# Altium PCB PCB.PcbDoc (part 2 of 4) (continued)
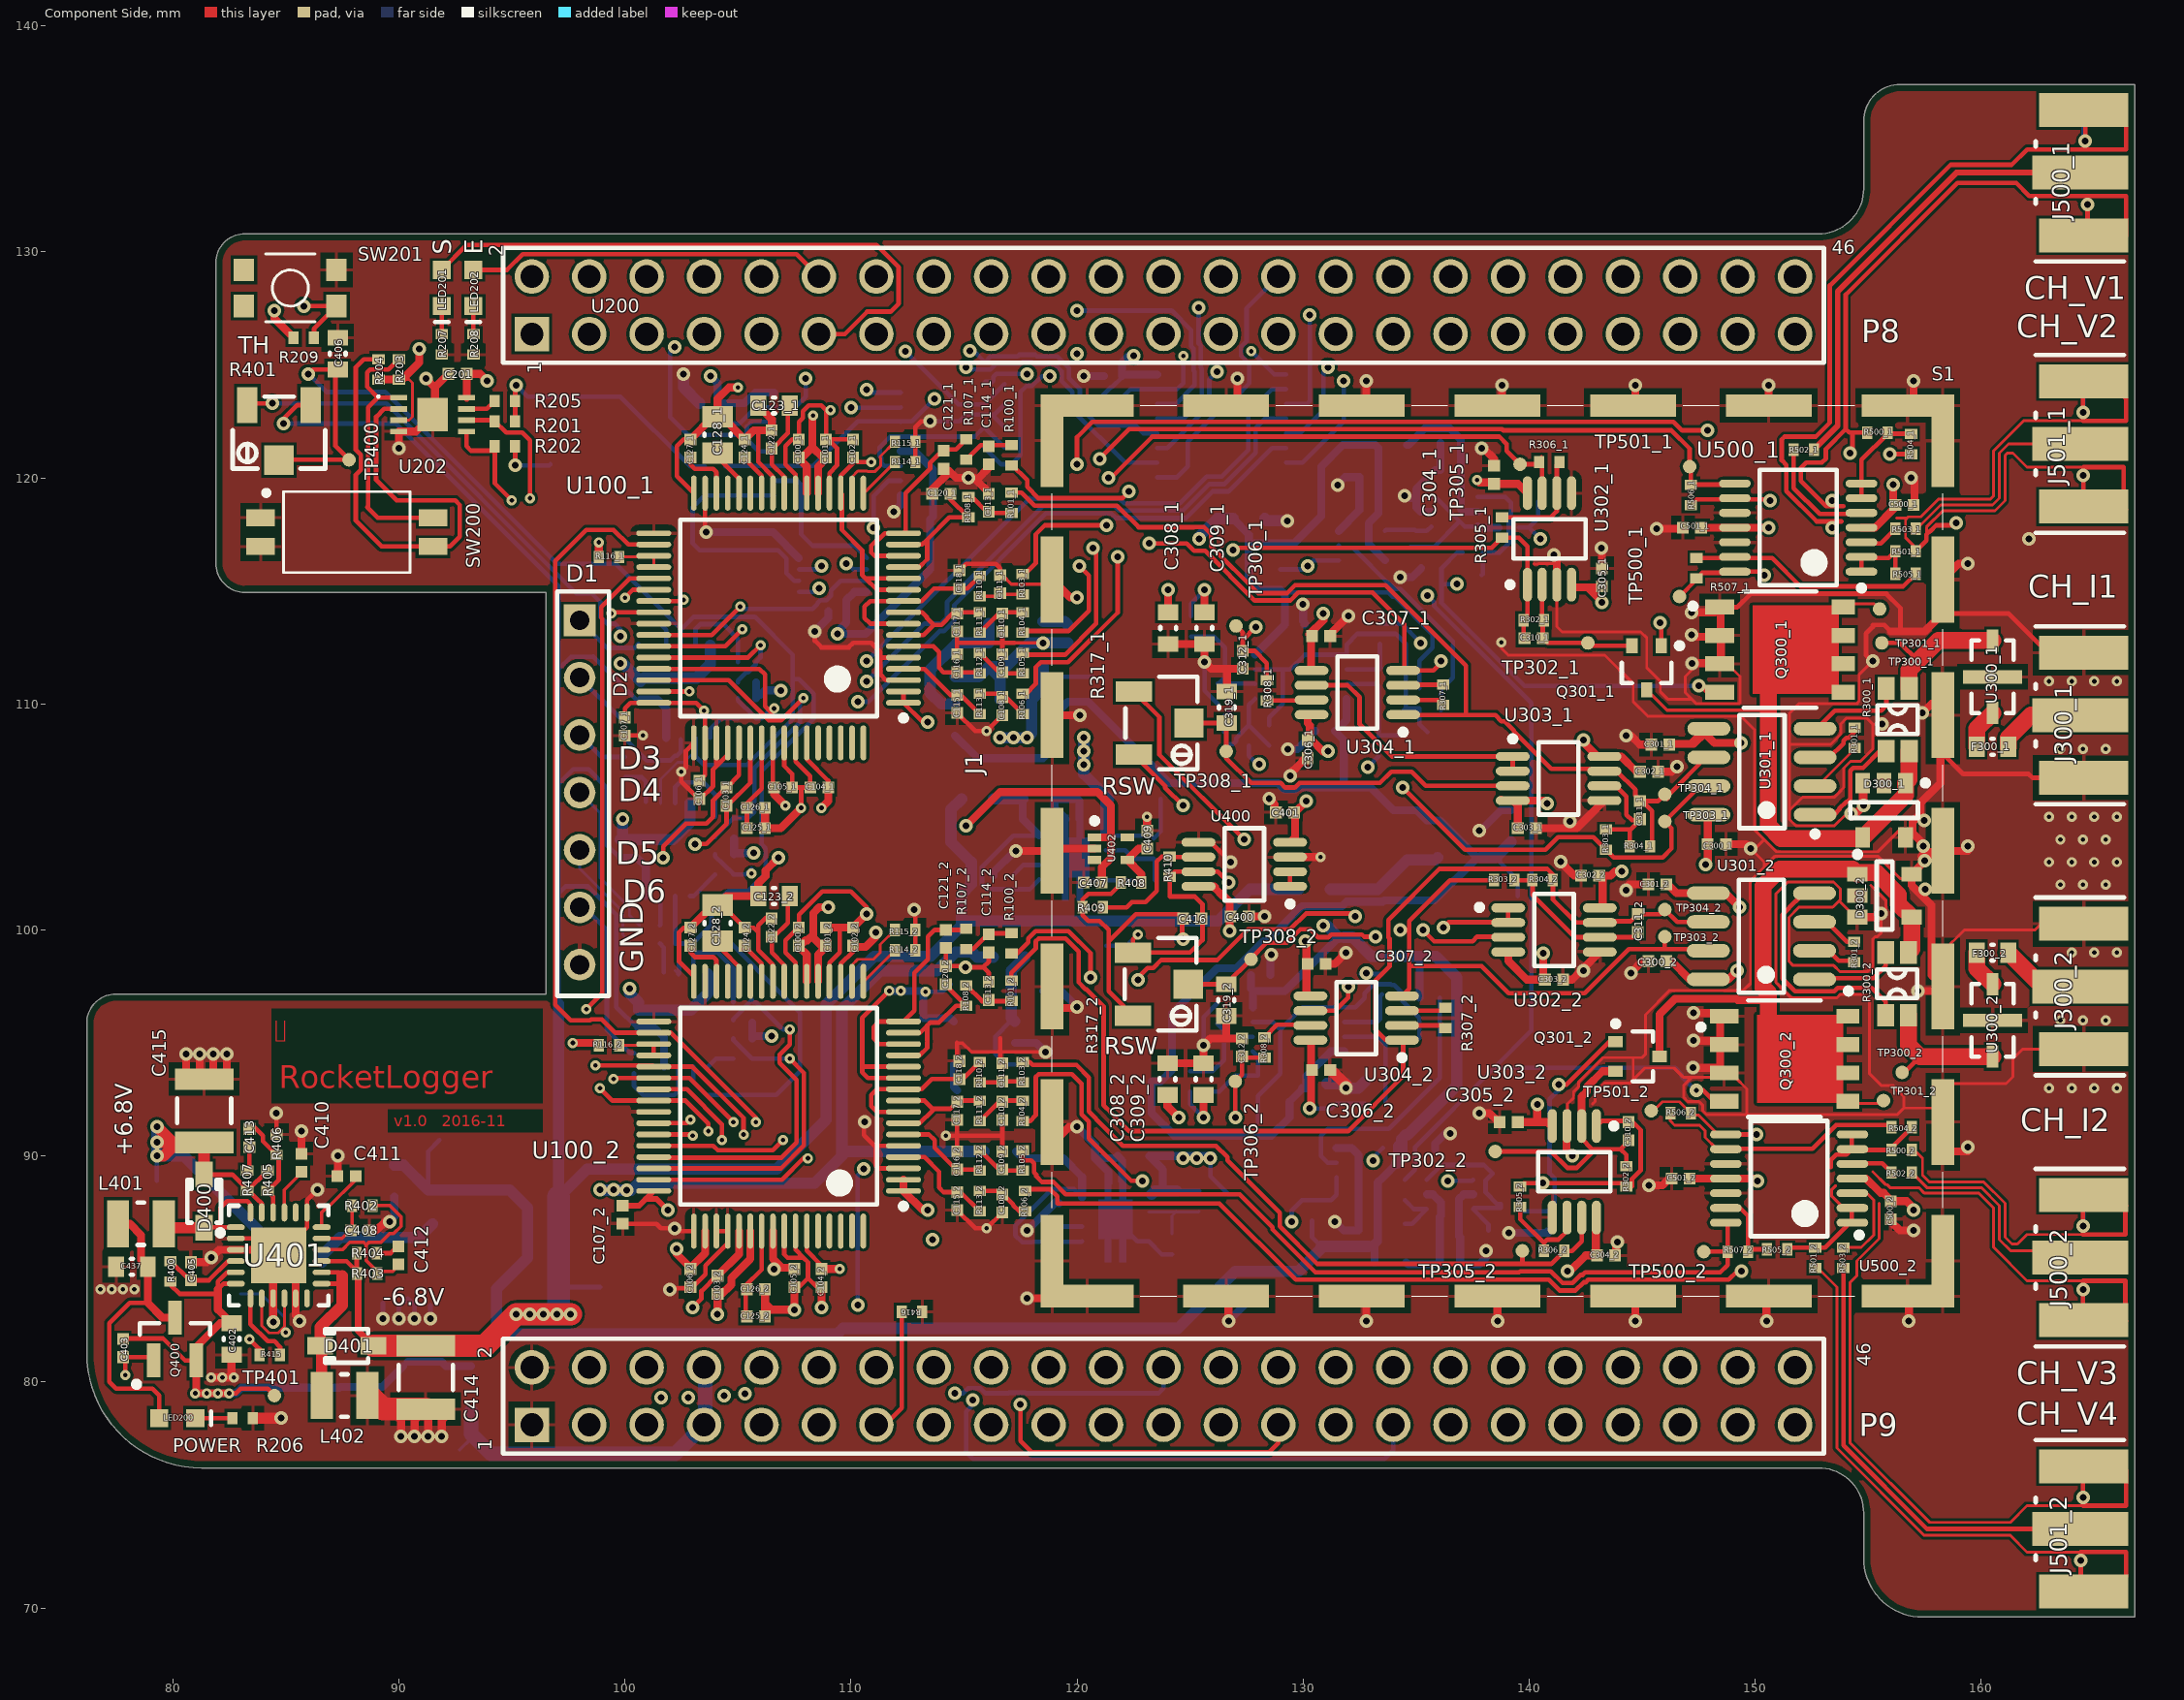
[diagram p0: Component Side view]
## Part data (continued)

## Via types
v1: diameter 0.6, hole 0.3, Component Side to Bottom Side, tented both sides, 292 vias
v2: diameter 0.45, hole 0.2, Component Side to Bottom Side, tented both sides, 98 vias
v3: diameter 0.6, hole 0.2, Component Side to Bottom Side, tented both sides, 1 vias

## Nets (pads, with @x,y where several pads share a name; then routed paths per layer and width w, separated by ;. In a path a pad name is that pad's centre, name@x,y a point inside that pad or via, vN(x,y) a via of type N, cw(c..) or ccw(c..) an arc to the next point about the centre after c; other vN are vias at no path point)
1.2V: C409.2 R408.2 U402.4 | length 2.3
  Component Side w0.35: R408.2@122.85,102.1 122.85,102.475 U402.4@122.225,103.1 122.725,103.6 C409.2@123.1,103.6
3.3V: C106_1.2 C106_2.2 C107_1.2 C107_2.2 C200.2 C201.2 C700.2 C701.2 R116_1.1 R116_2.1 R200.2 R201.2 R202.2 R203.2 R204.2 R205.2 R209.2 R600_1.2 R600_2.2 R600_3.2 R602_1.2 R602_2.2 R602_3.2 R704.2 R705.2 TP415.1 U100_1.48 U100_1.50 U100_2.48 U100_2.50 U200.903 U200.904 U201.16 U202.3 U202.8 U700.5 U700.16 U701.8 | length 134
  Component Side w0.125: U202.3@90,122.55 90.45,122.55 90.6,122.7 90.6,124.2 90.45,124.35 R203.2@90.15,124.35
  Component Side w0.2: v1@90.8,125.7 v1(90.9,125.7) ; v1(95.15,120.55) R202.2@95.15,121.2 ; R201.2@95.15,122.5 R205.2@95.15,123.4 95.15,124.05 v1(95.2,124.1) ; C107_1.2@100,109.4 100,109.8 100.25,110.05 U100_1.48@101.275,110.05 103.15,110.05 v2(103.5,109.7) 103.55,109.65 U100_1.50@103.55,108.275 103.55,106.85 C106_1.2@103.3,106.6
  Component Side w0.25: C107_2.2@99.9,87.8 100.625,87.8 100.925,88.1 ; U100_2.48@101.275,88.45 100.925,88.1 ; v1(101.9,87.6) 101.4,88.1 100.925,88.1
  Component Side w0.35: v1(84.5,127.4) 84.5,127.05 R209.2@85.35,126.2 ; R204.2@89.1,124.35 R203.2@90,124.35 90.15,124.35 90.9,125.1 v1(90.9,125.7) ; U202.8@93,123.55 C201.2@93,124.6 93.6,124.6 v1(93.9,124.3) ; v2(97.7,95) 98.85,95 R116_2.1@98.85,94.9 ; R116_1.1@98.85,116.5 v2(98.85,117.15) ; v1(102.3,85.9) 102.3,85.65 102.9,85.05 102.9,85.054 103.531,85.685 103.535,85.685 103.55,85.7 U100_2.50@103.55,86.675
  V+ w0.35: v1(95.2,124.1) 94.4,124.9 94.4,129.234 95.133,129.967 121.725,129.967 122.5,129.192 v1(122.5,125.4) ; v1(106.9,110.6) v1(109.4,113.1)
  V- w0.35: v1(95.2,124.1) 95.7,123.6 102.9,123.6 v1(103.8,124.5) ; 100.6,95.3 102.6,95.3 ; v1(101.9,87.6) 101.4,87.1 101.4,85.8 101.5,85.9 v1(102.3,85.9) ; 102.4,109.8 102.5,109.7 v2(103.5,109.7) 104.4,110.6 v1(106.9,110.6) ; 102.6,103.4 102.651,103.4 102.851,103.2 103.349,103.2 103.549,103.4 v1(105.7,103.4) ; 102.6,95.3 v1(106.5,95.3)
  Bottom Side w0.2: v1(95.15,120.55) 96.65,120.55 TP415.1@96.7,120.6 ; v1(95.2,124.1) 95.7,123.6 99.8,123.6 102.9,120.5 R705.2@103.55,120.5 ; R704.2@103.55,122.4 104.1,122.95 C700.2@104.1,123.3 ; R200.2@121.15,123.6 121.15,123.65 121.515,124.015 121.553,124.015 122,124.462 C200.2@122,124.5
  Bottom Side w0.35: v1(103.8,124.5) 104.1,124.2 C700.2@104.1,123.3 105.3,123.3 105.775,123.775 U700.16@106.6,123.775 ; R600_2.2@104.829,104.05 104.829,103.35 104.879,103.4 v1(105.7,103.4) ; R600_3.2@105.629,95.9 R602_3.2@105.629,95.2 105.728,95.3 v1(106.5,95.3) ; R602_1.2@105.8,110.25 R600_1.2@105.8,110.95 ; R602_1.2@106,110.4 106.2,110.6 v1(106.9,110.6) ; U701.8@110.7,114.95 110.15,114.95 109.8,114.6 109.8,113.6 109.4,113.2 v1(109.4,113.1) 110.644,113.1 113.5,115.956 113.5,118.158 113.625,118.283 113.625,120.375 112.825,121.175 U700.5@112.2,121.175 ; v1(122.5,125.4) 122.3,125.4 122,125.1 C200.2@122,124.5 122.075,124.575 U201.16@123.55,124.575
5V: C315_1.2 C315_2.2 C317_1.2 C317_2.2 C320_1.2 C320_2.2 C321_1.2 C321_2.2 C428.2 L300_1.1 L300_2.1 R318_1.2 R318_2.2 R320_1.2 R320_2.2 TP407.1 U305_1.8 U305_2.8 U307_1.5 U307_2.5 U406.3 | length 142.3
  V+ w0.5: v1(125.4,117.3) 125.4,115.77 124.959,115.33 124.959,107.141 126.8,105.3 127.8,105.3 129.6,103.5 129.6,101.5 v1(130.9,100.2)
  Bottom Side w0.2: U406.3@91.3,88.5 91.3,90.2 TP407.1@91.8,90.7 ; R320_1.2@129,115.05 129.125,114.925 133.773,114.925 133.948,114.75 134.05,114.75 135.725,113.075 135.725,112.483 135.15,111.908 R318_1.2@135.15,110.7 ; R320_2.2@130.4,87.15 130.4,86.4 130.8,86 ; 132.9,86 133.3,86.4
  Bottom Side w0.35: C317_1.2@126.9,118.2 127.6,117.5 127.6,117.1 ; C315_2.2@127.7,98 127.7,97.4 127.775,97.325 ; U305_2.8@127.775,96.575 127.775,97.325 ; U305_1.8@127.875,112.175 C315_1.2@129.2,113.5 129.2,114.85 R320_1.2@129.125,114.925 ; R320_1.2@129,115.05 128.05,115.05 127.6,115.5 127.6,117.1 ; 131.825,99.675 131.575,99.675 129.2,97.3 127.8,97.3 127.775,97.325 ; L300_2.1@133.159,85.291 133.159,86.059 133.3,86.2 133.3,86.4 C320_2.2@133.3,86.7 C321_2.2@133.3,87.9 133.3,88.825 U307_2.5@133.525,89.05 134.15,89.675 134.15,90.45 134.365,90.665 134.635,90.935 ; U307_1.5@133.625,116.35 132.9,117.075 132.9,118 133.334,118.434 C321_1.2@133.334,118.85 C320_1.2@133.334,120.05 133.334,121.318 L300_1.1@133.193,121.459 131.759,121.459 130.8,120.5 130.8,118.3 129.6,117.1 127.6,117.1 ; 135.1,98.825 135.15,98.775 R318_2.2@135.15,97
  Bottom Side w0.5: C428.2@89.8,89.6 90.2,89.6 U406.3@91.3,88.5 94.9,88.5 95.7,87.7 95.7,85.5 94.325,84.125 94.325,82.638 94.838,82.125 109.393,82.125 109.643,82.375 124.475,82.375 127,84.9 C317_2.2@128.1,84.9 129.8,84.9 130.8,85.9 130.8,86 132.9,86 ; v1(125.4,117.3) 125.4,117.4 126.2,118.2 C317_1.2@126.9,118.2 ; v1(130.9,100.2) 131.05,100.2 131.575,99.675 ; 131.825,99.675 132.18,99.675 133.03,98.825 135.1,98.825 135.875,98.825 136.8,97.9 136.8,93.1 134.635,90.935 134.55,90.935 134.365,90.75 134.365,90.665 134.365,89.89 134.15,89.675
+2.5V: C100_1.2 C100_2.2 C101_1.2 C101_2.2 C102_1.2 C102_2.2 C103_1.2 C103_2.2 C104_1.2 C104_2.2 C105_1.2 C105_2.2 C407.2 C434.2 TP411.1 U100_1.1 U100_1.2 U100_1.11 U100_1.12 U100_1.19 U100_1.21 U100_1.22 U100_1.54 U100_1.56 U100_1.59 U100_2.1 U100_2.2 U100_2.11 U100_2.12 U100_2.19 U100_2.21 U100_2.22 U100_2.54 U100_2.56 U100_2.59 U402.1 U402.3 U405.5 | length 77.4
  Component Side w0.2: v1(103.1,103.8) 103.6,103.8 104.5,104.7 C103_1.2@104.5,105.5 104.538,105.5 105.55,106.512 U100_1.54@105.55,108.275 ; U100_1.56@106.55,108.275 106.55,106.35 C105_1.2@106.6,106.3 ; U100_2.59@108.05,86.675 108.05,85.81 108.7,85.16 C104_2.2@108.7,85 ; U100_1.59@108.05,108.275 108.05,107.55 109,106.6 C104_1.2@109,106.3 ; U100_2.19@109.55,97.725 109.55,98.502 110.1,99.052 C102_2.2@110.1,99.25 ; C102_1.2@110.1,120.85 110.1,120.652 109.55,120.102 U100_1.19@109.55,119.325 109.6,119.275 109.6,117.7 110.5,116.8 110.5,115.7 110.65,115.55 ; C102_1.2@110.1,120.9 110.3,120.7 v2(110.9,120.7) ; v2(111.7,97.3) 110.5,96.1 110.5,94 ; U100_2.11@112.325,93.45 110.75,93.45 110.5,93.7 110.5,94 ; U100_2.12@112.325,93.95 110.55,93.95 110.5,94 ; U100_1.2@112.325,110.55 U100_1.1@112.325,110.05 113.175,109.2 v1(113.4,109.2) ; U100_1.11@112.325,115.05 111.15,115.05 110.65,115.55 ; U100_1.12@112.325,115.55 110.65,115.55
  Component Side w0.35: v1(104.1,83) C103_2.2@104.1,83.9 ; C103_2.2@104.25,83.85 104.71,84.31 104.71,84.61 105.55,85.45 U100_2.54@105.55,86.675 ; U100_2.56@106.55,86.675 106.55,85.45 106.95,85.05 ; v1(106.6,85) 106.65,85.05 106.95,85.05 ; C105_1.2@106.6,106.3 106.6,106 v2(107.1,105.5) ; C105_2.2@107.5,85.05 106.95,85.05 ; C100_1.2@107.7,120.85 108.05,120.5 U100_1.22@108.05,119.325 ; C100_1.2@107.7,120.9 107.844,120.9 108.3,121.356 ; U100_2.22@108.05,97.725 108.05,98.9 107.7,99.25 107.99,99.54 108.084,99.54 108.34,99.796 ; v2(108.325,122.762) 108.3,122.737 108.3,121.356 ; U100_2.21@108.55,97.725 108.55,98.9 108.9,99.25 108.75,99.25 108.34,99.66 108.34,99.796 ; U100_1.21@108.55,119.325 108.55,120.5 C101_1.2@108.9,120.85 ; C104_2.2@108.7,85 v2(109.5,85) ; v2(108.7,105.4) 109,105.7 C104_1.2@109,106.3 ; C101_1.2@108.9,120.9 108.756,120.9 108.3,121.356 ; v1(109,101) 108.6,101 108.34,100.74 108.34,99.796 ; C102_2.2@110.1,99.25 110.65,99.25 111.1,99.7 v1(111.1,99.9) ; U100_2.2@112.325,88.95 U100_2.1@112.325,88.45 113.175,87.6 v1(113.4,87.6) ; v1(115.1,104.6) 116.6,106.1 120.9,106.1 121.5,105.5 121.5,104.1 ; U402.1@120.775,104.1 121.5,104.1 ; C407.2@121.1,102.1 121.1,102.775 121.5,103.175 121.5,104.1
  Bottom Side w0.2: v2(113.3,97.26) 114.06,97.26 TP411.1@114.4,97.6
  Bottom Side w0.35: v2(111.7,97.3) v2(112.2,97.3) v2@113.26,97.3 ; v2(113.3,97.26) v2@113.26,97.3 ; U405.5@114.55,95.95 114.4,96.1 C434.2@113.2,96.1 113.2,97.24 v2@113.26,97.3
+6.8V: C415.1 C600_1.2 C600_2.2 C600_3.2 D400.2 L404.1 L405.1 L407.1 R401.1 R405.2 R407.2 TP402.1 U401.23 U600_1.8 U600_2.8 U600_3.8 | length 140.1
  Component Side w0.2: D400.2@81.39,89.175 82.647,89.175 83.822,88 83.84,88 83.94,87.9 U401.23@83.94,87.5 ; R401.1@83.305,123.22 83.325,123.2 83.425,123.3 v1(84.4,123.3) ; R407.2@83.39,88.45 83.39,88.55 83.74,88.9 83.758,88.9 84.19,89.332 R405.2@84.19,89.35
  Component Side w0.5: v1(79.3,90) 79.6,90 C415.1@80.2,90.6 ; v1(79.3,90.6) 80,90.6 ; v1(79.3,91.3) 80,90.6 ; D400.2@81.39,89.175 C415.1@81.39,90.6 C415.1@80.2,90.6 ; 80,90.6 C415.1@80.2,90.6
  V+ w0.5: v1(98.9,88.5) v1(99.5,88.5) 99.515,88.485 v1@99.99,88.485 ; v1(99.8,113) v1(99.8,111.8) 99.9,111.7 v1(99.9,104.9) 99.9,97.7 v1(100.2,97.4) 100.2,93.251 99.99,93.041 v1@99.99,88.485 ; v1@99.99,88.485 99.99,88.4 v1(100.075,88.485) v1@99.99,88.485
  V- w1: v1(79.3,90) v1(79.3,90.6) v1(79.3,91.3) 79.3,91.5 80.7,92.9 92.5,92.9 96.9,88.5 v1(98.9,88.5)
  Bottom Side w0.2: TP402.1@79.3,88.9 v1(79.3,90) ; v1(84.4,123.3) v1@84.4,123.29 ; v1(99.8,113) 99.8,113.3 99.55,113.55 99.214,113.55 98.925,113.839 98.925,114.493 98.518,114.9 97.84,114.9 89.45,123.29 v1@84.4,123.29 ; v1@84.335,123.225 84.285,123.225 84.31,123.2 v1@84.335,123.225 ; v1@84.335,123.225 v1@84.4,123.29
  Bottom Side w0.5: v1(79.3,91.3) v1(79.3,90.6) v1(79.3,90) 80.5,90 L407.1@85.2,85.3 ; v1(99.5,88.5) 99.1,88.5 99.085,88.485 v1(100.075,88.485) 100.285,88.485 100.6,88.8 108.4,88.8 109.6,90 109.6,90.3 ; v1(99.8,111.8) 99.9,111.8 C600_1.2@100.7,111 100.85,111.15 103.179,111.15 103.779,111.75 U600_1.8@103.779,112.6 ; v1(99.9,104.9) 99.9,104.1 C600_2.2@99.8,104 102.129,104 102.879,104.75 U600_2.8@102.879,105.6 ; v1(100.2,97.4) 100.2,97.2 100.6,96.8 C600_3.2@100.6,96.45 102.929,96.45 103.679,97.2 U600_3.8@103.679,98.05 ; L404.1@115.9,90.2 109.7,90.2 109.6,90.3 ; L405.1@116.3,98.8 115.58,98.8 115.355,99.025 114.625,99.025 113.8,98.2 111.3,98.2 109.6,96.5 109.6,90.3
-2.5V: C100_1.1 C100_2.1 C101_1.1 C101_2.1 C102_1.1 C102_2.1 C103_1.1 C103_2.1 C104_1.1 C104_2.1 C105_1.1 C105_2.1 C122_1.1 C122_2.1 C123_1.1 C123_2.1 C124_1.1 C124_2.1 C125_1.1 C125_2.1 C126_1.1 C126_2.1 C127_1.1 C127_2.1 C128_1.1 C128_2.1 C431.2 TP410.1 U100_1.20 U100_1.23 U100_1.25 U100_1.32 U100_1.53 U100_1.57 U100_1.58 U100_2.20 U100_2.23 U100_2.25 U100_2.32 U100_2.53 U100_2.57 U100_2.58 U408.5 | length 100.2
  Component Side w0.2: v1(101.7,103.2) 101.7,103.7 102.7,104.7 103.6,104.7 103.9,105 103.9,105.738 104.462,106.3 C103_1.1@104.5,106.3 105.05,106.85 U100_1.53@105.05,108.275 ; C127_2.1@102.9,100.1 102.6,100.1 102.4,99.9 102.4,98.6 103.05,97.95 U100_2.32@103.05,97.725 ; C127_1.1@102.9,121.7 102.6,121.7 102.3,121.4 102.3,120.075 U100_1.32@103.05,119.325 ; v1(103,83.3) 103.385,83.685 103.385,84.023 104.062,84.7 C103_2.1@104.1,84.7 ; C128_2.1@104.3,101.1 C124_2.1@105.3,100.1 105.7,100.1 105.9,99.9 ; 105.9,122.1 105.9,120.71 106.55,120.06 U100_1.25@106.55,119.325 ; C122_2.1@106.5,100.55 106.25,100.55 105.9,100.2 105.9,99.9 ; U100_2.25@106.55,97.725 106.55,98.46 105.9,99.11 105.9,99.9 ; U100_2.57@107.05,86.675 107.05,85.65 107.2,85.5 107.9,85.5 ; U100_1.57@107.05,108.275 107.05,107.25 107.4,106.9 C105_1.1@107.4,106.3 107.8,106.3 ; C105_2.1@107.5,84.15 107.65,84.15 108.1,84.6 ; U100_2.58@107.55,86.675 107.55,85.85 107.9,85.5 ; U100_2.23@107.55,97.725 107.55,98.55 107.1,99 107.1,99.54 107.66,100.1 C100_2.1@107.7,100.1 107.7,100.666 108.734,101.7 110,101.7 110.7,101 v1(110.7,100.7) ; U100_1.58@107.55,108.275 107.55,107.45 108.2,106.8 C104_1.1@108.2,106.3 107.8,106.3 ; U100_1.23@107.55,119.325 107.55,120.15 107.1,120.6 107.1,121.4 107.4,121.7 C100_1.1@107.7,121.7 107.7,122.482 107.875,122.657 107.875,122.948 108.139,123.212 108.688,123.212 v2@108.9,123 ; v2(107.8,105.4) 107.8,106.3 ; C104_2.1@108.7,84.2 108.5,84.2 108.1,84.6 ; U100_2.20@109.05,97.725 109.05,98.55 109.5,99 109.5,100.1 ; U100_1.20@109.05,119.325 109.05,120.212 109.385,120.547 109.385,121.315 C101_1.1@109,121.7 ; v2(109.1,123) v2@108.9,123 ; C102_1.1@110.1,121.7 C101_1.1@109,121.7 ; 107.9,85.5 108.1,85.3 108.1,84.6 ; v2@108.9,123 C101_1.1@108.9,121.7 C101_1.1@109,121.7
  Component Side w0.35: C127_2.1@102.9,100.1 103.9,101.1 C128_2.1@104.1,101.1 104.5,101.5 C123_2.1@105.9,101.5 105.9,102.058 106.225,102.382 106.225,102.625 v1(106.8,103.2) ; C127_1.1@102.9,121.7 103.9,122.7 C128_1.1@104.1,122.7 ; C103_2.1@104.1,84.7 105.05,85.65 U100_2.53@105.05,86.675 ; v2(105,124) 104.6,124 104.1,123.5 C128_1.1@104.1,122.7 ; C123_1.1@105.9,123.2 106.5,122.6 C122_1.1@106.5,122.1 105.9,122.1 105.7,122.1 C124_1.1@105.3,121.7 104.3,122.7 C128_1.1@104.1,122.7 ; C125_2.1@106.2,82.9 106.2,83.5 ; C126_2.1@106.2,84.1 106.2,83.5 ; C126_1.1@106.2,105.4 C125_1.1@106.2,104.5 106.9,104.5 v2(107.8,105.4) ; C105_2.1@107.5,84.15 v1(107.5,83.2) 106.5,83.2 106.2,83.5 ; v1(108.7,83.3) C104_2.1@108.7,84.15 ; C101_2.1@108.9,100.1 109.5,100.1 C102_2.1@110.1,100.1 v1(110.7,100.7)
  V- w0.35: v1(101.7,103.2) 101.7,102.9 102.7,101.9 105.742,101.9 106.8,102.958 v1(106.8,103.2)
  V- w0.5: v1(103,83.3) 103.7,84 106.8,84 107.5,83.3 v1(107.5,83.2)
  Bottom Side w0.2: 118.5,111.1 118.6,111.2 TP410.1@120.7,111.2
  Bottom Side w0.5: v1(116.6,108.5) v1(117.2,108.5) v1(117.8,108.5) 118,108.7 C431.2@118,110.2 118.5,110.7 118.5,111.1 U408.5@118.5,111.65
-5V: C316_1.1 C316_2.1 C318_1.1 C318_2.1 C426.2 L406.1 TP406.1 U305_1.4 U305_2.4 U407.4 | length 69.6
  Bottom Side w0.2: 138.7,103.4 138.7,103 139.5,102.2 TP406.1@139.5,101.5
  Bottom Side w0.35: L406.1@114.6,108.6 115.6,107.6 118.5,107.6 119,108.1 119,109.5 119.6,110.1 120.5,110.1 124.1,106.5 128.9,106.5 129.175,106.225 129.674,106.225 129.749,106.3 C318_1.1@131.6,106.3 ; C316_2.1@129.951,93 C316_2.1@130,93 ; C316_2.1@130.2,93.2 C316_2.1@130.15,93.15 ; C316_1.1@131.4,108.8 131.8,108.4 131.8,106.5 C318_1.1@131.6,106.3 ; C316_1.1@131.45,108.8 131.925,109.275 U305_1.4@131.925,110.225 ; U305_2.4@131.825,94.625 131.225,94.625 130.15,93.55 C316_2.1@130.15,93.15 ; U407.4@137.85,103.2 U407.4@137.7,103.2 ; C316_2.1@130,93 129.4,92.4 129.4,91.7 128.6,90.9 124.3,90.9 123.3,91.9 C318_2.1@123.3,93.3 123.7,93.3 124.2,93.8 124.2,96.3 126.2,98.3 127.056,98.3 128.256,99.5 128.4,99.5 129.95,101.05 131.724,101.05 131.924,101.25 133.528,101.25 133.578,101.3 135.8,101.3 U407.4@137.7,103.2 ; C316_2.1@130,93 C316_2.1@130.15,93.15 ; C316_2.1@130,93 130.15,93 C316_2.1@130.15,93.15 ; C318_1.1@131.6,106.3 133,106.3 134,105.3 135.024,105.3 135.474,104.85 136.05,104.85 U407.4@137.7,103.2
  Bottom Side w0.5: U407.4@137.85,103.2 138.5,103.2 138.7,103.4 C426.2@139.2,103.9
-6.8V: C414.1 C600_1.1 C600_2.1 C600_3.1 D401.1 L403.1 L408.1 R401.3 R403.2 R404.1 TP403.1 U401.15 U600_1.4 U600_2.4 U600_3.4 | length 143.6
  Component Side w0.2: v1(84.9,122.4) 84.9,122.6 85.52,123.22 R401.3@86.095,123.22 ; U401.15@86.59,85.35 87.69,85.35 R403.2@88.14,84.9 ; R404.1@88.14,85.7 R403.2@88.14,84.9 ; R403.2@88.19,84.85 R403.2@88.14,84.9
  Component Side w0.3: R403.2@88.19,84.85 88.2,84.84 88.2,82.275 D401.1@88.875,81.6
  Component Side w1: D401.1@88.875,81.6 C414.1@91.19,81.6 93.8,81.6 v1(95.2,83) v1(95.8,83) v1(96.4,83) v1(97,83) v1(97.6,83)
  Bottom Side w0.2: v1(84.9,122.4) 89.88,122.4 97.075,115.205 97.075,111.543 ; v1(97,83) v1@97.075,83.075 ; 97.075,84.2 TP403.1@98.9,84.2 ; 97.075,96.725 97.075,101.625 ; C600_2.1@99.8,103.2 99.762,103.2 99.2,103.762 99.2,106.3 98.4,107.1 97.712,107.1 97.075,106.463 ; C600_3.1@100.6,95.65 100.562,95.65 99.625,96.587 99.625,100.683 98.383,101.925 97.375,101.925 97.075,101.625 ; C600_1.1@100.7,110.2 100.5,110.2 98.6,112.1 98.585,112.085 97.617,112.085 97.075,111.543 ; 97.075,101.625 97.075,106.463 ; 97.075,106.463 97.075,111.543
  Bottom Side w0.35: C600_2.1@99.8,103.2 100.529,103.2 100.929,102.8 U600_2.4@100.929,101.5 ; C600_3.1@100.6,95.65 101.329,95.65 101.729,95.25 U600_3.4@101.729,93.95 ; C600_1.1@100.7,110.2 101.429,110.2 101.829,109.8 U600_1.4@101.829,108.5
  Bottom Side w0.5: 97.075,96.725 97.075,88.2 97.1,88.2 98.325,89.425 106.725,89.425 108.9,91.6 108.9,96.7 111.025,98.825 113.525,98.825 114.9,100.2 ; L403.1@114.9,105.8 114.422,105.322 114.422,103.9 115.325,102.997 115.325,102.025 114.9,101.6 114.9,100.2 ; L408.1@129.8,101.8 127.645,101.8 126.245,100.4 115.1,100.4 114.9,100.2
  Bottom Side w1: v1(95.2,83) v1(95.8,83) v1(96.4,83) v1(97,83) v1(97.6,83) ; v1@97.075,83.075 97.075,84.2 97.075,88.2
BUTTONCAPE: R209.1 SW201.1 U200.814 | length 29.1
  Component Side w0.2: v1(85.8,127.6) SW201.1@87.25,127.6 86.25,126.6 R209.1@86.25,126.2
  Inner Layer 1 w0.2: v1(85.8,127.6) 85.9,127.7 109.92,127.7 U200.814@111.125,128.905
DIGITALINPUT1: R600_1.1 R601_1.2 U100_1.44 U201.2 | length 37.6
  Component Side w0.2: U100_1.44@101.275,112.05 105.45,112.05 v2(106,112.6)
  Inner Layer 1 w0.2: v2(106,112.6) 107.561,111.039 108.221,111.039 108.346,110.914 109.714,110.914 v1(110.7,111.9)
  Bottom Side w0.2: R601_1.2@105,110.95 105,111.032 105.368,111.4 105.45,111.4 105.8,111.75 R600_1.1@105.8,111.85 106,112.05 v2(106,112.6) ; v1(110.7,111.9) 117.9,119.1 117.925,119.075 121.882,119.075 122.082,118.875 124.556,118.875 125.731,120.05 126.39,120.05 127.575,121.235 127.575,122.875 128.625,123.925 U201.2@129.25,123.925
DIGITALINPUT2: R602_1.1 R603_1.2 U100_1.45 U201.4 | length 38.7
  Component Side w0.2: U100_1.45@101.275,111.55 105.95,111.55 106.2,111.3 106.2,109.9 106.5,109.6 106.6,109.7 v2(106.6,109.8)
  Inner Layer 1 w0.2: v2(106.6,109.8) 106.775,109.975 107.117,109.975 107.425,110.283 107.425,110.425 107.714,110.714 108.086,110.714 108.211,110.589 109.889,110.589 109.925,110.625 110.325,110.625 v1(110.7,111)
  Bottom Side w0.2: R603_1.2@105,110.25 105,110.15 105.35,109.8 105.368,109.8 105.8,109.368 R602_1.1@105.8,109.35 106.05,109.35 106.5,109.8 v2(106.6,109.8) ; v1(110.7,111) 113.25,113.55 113.986,113.55 114.25,113.814 114.25,114.51 118.49,118.75 121.652,118.75 121.852,118.55 124.69,118.55 125.865,119.725 126.525,119.725 127.9,121.1 127.9,122.2 128.325,122.625 U201.4@129.25,122.625
DIGITALINPUT3: R600_2.1 R601_2.2 U100_1.46 U201.6 | length 42.6
  Component Side w0.2: U100_1.46@101.275,111.05 104.59,111.05 106.365,109.275 106.405,109.275 106.911,109.275 v2(107.9,110.264)
  Inner Layer 1 w0.2: v2(107.9,110.264) 110.136,110.264 v1(110.3,110.1)
  Bottom Side w0.2: R601_2.2@104,104.1 104,104.15 104.3,104.45 104.3,104.468 104.432,104.6 104.45,104.6 104.8,104.95 105.45,104.95 105.725,105.225 105.725,107.165 107.75,109.19 107.75,110.113 v2(107.9,110.264) ; v1(110.3,110.1) 110.796,110.1 113.921,113.225 114.121,113.225 114.575,113.679 114.575,114.375 118.625,118.425 121.517,118.425 121.717,118.225 124.825,118.225 126,119.4 126.7,119.4 128.625,121.325 U201.6@129.25,121.325
DIGITALINPUT4: R602_2.1 R603_2.2 U100_2.44 U201.10 | length 63.9
  Component Side w0.2: U100_2.44@101.275,90.45 103.914,90.45 104.114,90.25 106.55,90.25 v2(107,90.7)
  Inner Layer 1 w0.2: v2(105.6,102.5) 105.6,102.55 v2@105.725,102.675 ; v2(107,90.7) 107,91.9 105.7,93.2 105.7,100.798 105.65,100.848 105.65,101.552 105.925,101.827 105.925,102.475 v2@105.725,102.675 ; v1(115.1,124.9) 115.2,124.9 116.025,124.075 116.025,117.625 114.4,116 114.4,114.696 114.575,114.521 114.575,113.679 114.4,113.504 114.4,105.562 113.925,105.087 113.925,103.425 113.2,102.7 107.042,102.7 107.017,102.675 v2@105.725,102.675
  Bottom Side w0.2: R603_2.2@104,103.35 104,103.25 104.35,102.9 104.368,102.9 104.8,102.468 R602_2.1@104.8,102.45 105.35,102.45 v2@105.6,102.7 ; v2(105.6,102.5) v2@105.6,102.7 ; v1(115.1,124.9) 115.2,124.8 116.172,124.8 116.425,125.053 117.511,125.053 117.583,125.125 118.017,125.125 118.117,125.025 119.017,125.025 119.325,124.717 119.325,124.273 119.8,123.798 119.8,123 122.125,120.675 U201.10@123.55,120.675
DIGITALINPUT5: R600_3.1 R601_3.2 U100_2.45 U201.12 | length 66.4
  Component Side w0.2: U100_2.45@101.275,89.95 101.3,89.925 106.925,89.925 107.6,90.6 107.6,93.364 106.85,94.114 106.85,94.486 107.3,94.936 v2(107.3,95.6)
  Inner Layer 1 w0.2: v2(107.3,95.6) 107,95.6 106.025,96.575 106.025,100.933 105.975,100.983 105.975,101.417 106.908,102.35 107.152,102.35 107.177,102.375 113.335,102.375 114.725,103.765 114.725,103.773 114.25,104.248 114.25,104.952 114.725,105.427 114.725,113.369 114.9,113.544 114.9,114.656 114.725,114.831 114.725,115.835 116.35,117.46 116.35,124.95 116.1,125.2 116,125.1 115.475,125.625 v1(115.267,125.625)
  Bottom Side w0.2: R601_3.2@104.8,96 104.8,96.071 R600_3.1@105.629,96.9 ; R600_3.1@105.7,96.8 105.8,96.8 107,95.6 v2(107.3,95.6) ; v1(115.267,125.625) 115.425,125.625 115.925,125.125 116.178,125.378 117.376,125.378 117.448,125.45 118.152,125.45 118.224,125.378 119.124,125.378 119.65,124.852 119.65,124.408 120.125,123.933 120.125,123.135 120.96,122.3 122.6,122.3 122.925,121.975 U201.12@123.55,121.975
DIGITALINPUT6: R602_3.1 R603_3.2 U100_2.46 U201.14 | length 68.4
  Component Side w0.2: U100_2.46@101.275,89.45 106.91,89.45 107.925,90.465 107.925,93.675 v2(107.3,94.3)
  Inner Layer 1 w0.2: v2(107.3,94.3) 107.3,94.864 107.75,95.314 107.75,95.786 107.486,96.05 107.15,96.05 106.35,96.85 106.35,100.15 108.25,102.05 113.469,102.05 115.05,103.63 115.05,103.908 114.575,104.383 114.575,104.817 115.05,105.292 115.05,113.235 115.225,113.41 115.225,114.79 115.05,114.965 115.05,115.7 116.675,117.325 116.675,125.175 117.5,126 117.5,126.8 118.1,127.4 v1(120,127.4)
  Bottom Side w0.2: R603_3.2@104.8,95.2 104.8,95.129 R602_3.1@105.629,94.3 v2(107.3,94.3) ; v1(120,127.4) 124.186,127.4 125.053,126.533 125.053,125.822 125.15,125.725 125.15,124.748 125.2,124.698 125.2,124.1 124.375,123.275 U201.14@123.55,123.275
DIGITALINPUTB1: U200.840 U201.3 | length 19.9
  V+ w0.2: v1(130.3,127.2) 130.8,127.7 143.7,127.7 144.145,128.145 U200.840@144.145,128.905
  Bottom Side w0.2: U201.3@129.25,123.275 130.175,123.275 130.3,123.4 v1(130.3,127.2)
DIGITALINPUTB2: U200.841 U201.5 | length 22.8
  V- w0.2: v1(131.1,124.9) 132.2,124.9 132.8,125.5 132.8,127.3 133.2,127.7 146,127.7 146.685,127.015 U200.841@146.685,126.365
  Bottom Side w0.2: U201.5@129.25,121.975 129.875,121.975 130.9,123 130.9,124.7 v1(131.1,124.9)
DIGITALINPUTB3: U200.827 U201.7 | length 9.1
  V+ w0.2: U200.827@128.905,126.365 128.905,125.895 130.5,124.3 v1(131.8,124.3)
  Bottom Side w0.2: U201.7@129.25,120.675 129.975,120.675 131.8,122.5 v1(131.8,124.3)
DIGITALINPUTB4: U200.828 U201.9 | length 12
  Bottom Side w0.2: U201.9@123.55,120.025 124.425,120.025 124.9,120.5 124.9,121.6 126.875,123.575 127.017,123.575 127.625,124.183 127.625,125.032 127.25,125.407 127.25,125.792 127.5,126.042 127.5,127.5 U200.828@128.905,128.905
DIGITALINPUTB5: U200.829 U201.11 | length 10.7
  Inner Layer 1 w0.2: v1@126.2,124.701 126.3,124.8 126.424,124.925 127.025,124.925 127.175,125.075 130.155,125.075 U200.829@131.445,126.365
  Bottom Side w0.2: U201.11@123.55,121.325 123.989,121.325 125.85,123.186 125.85,124.35 v1(126.2,124.7)
DIGITALINPUTB6: U200.839 U201.13 | length 25.9
  Inner Layer 1 w0.2: v1(125.378,127.522) 125.581,127.725 142.785,127.725 U200.839@144.145,126.365
  Bottom Side w0.2: U201.13@123.55,122.625 124.725,122.625 125.525,123.425 125.525,124.833 125.475,124.883 125.475,125.859 125.378,125.956 v1(125.378,127.522)
DISABLEDIBUFFER: R200.1 U200.813 U201.1 U201.15 | length 25.6
  Inner Layer 1 w0.2: U200.813@111.125,126.365 112.56,127.8 119.658,127.8 119.783,127.925 120.217,127.925 120.542,127.6 124,127.6 125,126.6 125,125.7 v2(124.7,125.4)
  V+ w0.2: v2(124.7,125.4) 124.722,125.378 127.478,125.378 v2(127.7,125.6)
  Bottom Side w0.2: R200.1@122.05,123.6 122.375,123.925 U201.15@123.55,123.925 124.425,123.925 124.7,124.2 v2(124.7,125.4) ; v2(127.7,125.6) 128.725,124.575 U201.1@129.25,124.575
ENABLEFEEDBACKAMP_1: C323_1.2 Q301_1.1 R322_1.1 | length 11.2
  Component Side w0.2: v1(145.8,113.6) 145.85,113.55 Q301_1.1@145.85,112.575
  Inner Layer 1 w0.2: v1(140.5,117.3) 140.5,115.8 140.9,115.4 144,115.4 v1(145.8,113.6)
  Bottom Side w0.2: R322_1.1@139.55,117.8 140,117.8 ; C323_1.2@140.4,118.95 140.4,118.2 140,117.8 ; v1(140.5,117.3) 140,117.8
ENABLEFEEDBACKAMP_2: C323_2.2 Q301_2.1 R322_2.1 | length 10.9
  Component Side w0.2: v1(141.3,93.15) 141.65,93.15 143.55,95.05 Q301_2.1@143.825,95.05
  Bottom Side w0.2: R322_2.1@139.65,87.7 139.8,87.55 140.8,87.55 141.125,87.875 141.125,89.017 140.9,89.242 140.9,92.5 141.55,93.15 v1(141.3,93.15)
ENABLEPOWER: R416.2 TP414.1 U200.913 U401.8 U401.10 | length 43.8
  Component Side w0.125: U401.8@83.94,83.7 83.94,82.491 84.258,82.173 84.662,82.173 84.805,82.315 84.92,82.2 v2(85,82.2) ; v2@84.845,82.355 84.948,82.458 84.948,83.692 U401.10@84.94,83.7
  Component Side w0.2: U200.913@111.125,78.105 111.505,78.105 112.25,78.85 R416.2@112.25,83.1
  Inner Layer 1 w0.2: v2(85,82.2) 85.5,81.7 85.5,77.4 85.825,77.075 92.117,77.075 92.142,77.1 110.12,77.1 U200.913@111.125,78.105
  Bottom Side w0.125: TP414.1@83,83.9 83.909,83.9 84.948,82.862 84.948,82.252 v2@85,82.2
FORCEHIGHRANGE1: R320_1.1 U200.911 U307_1.1 | length 69.5
  Inner Layer 1 w0.2: U200.911@108.585,78.105 110,79.52 110,83.1 v1(110.3,83.4) ; v1(110.575,89.425) 112.275,89.425 112.425,89.575 123.633,89.575 124.483,90.425 125.325,90.425 126.475,91.575 126.475,93.177 131.6,98.302 131.6,98.558 131.375,98.783 131.375,99.217 131.6,99.442 131.6,100.642 132.083,101.125 134.025,101.125 135.1,102.2 135.1,109.7 137.6,112.2 137.6,115.5 136.575,116.525 134.308,116.525 133.883,116.1 v1(130.2,116.1)
  Bottom Side w0.2: v1(110.3,83.4) 110.3,89.15 v1(110.575,89.425) ; R320_1.1@129,115.95 130.05,115.95 v1(130.2,116.1) 130.45,116.35 U307_1.1@131.575,116.35
FORCEHIGHRANGE2: R320_2.1 U200.912 U307_2.1 | length 29.5
  Inner Layer 1 w0.2: v1(113.6,86.3) 114.55,87.25 129.35,87.25 v1(129.5,87.1)
  V+ w0.2: U200.912@108.585,80.645 109.345,80.645 110.5,81.8 112.9,81.8 113.6,82.5 v1(113.6,86.3)
  Bottom Side w0.2: v1(129.5,87.1) 129.5,87.6 129.95,88.05 R320_2.1@130.4,88.05 131.25,88.05 131.475,88.275 U307_2.1@131.475,89.05